# Altium PCB tnb_mns_power.PcbDoc (part 1 of 5) (continued)
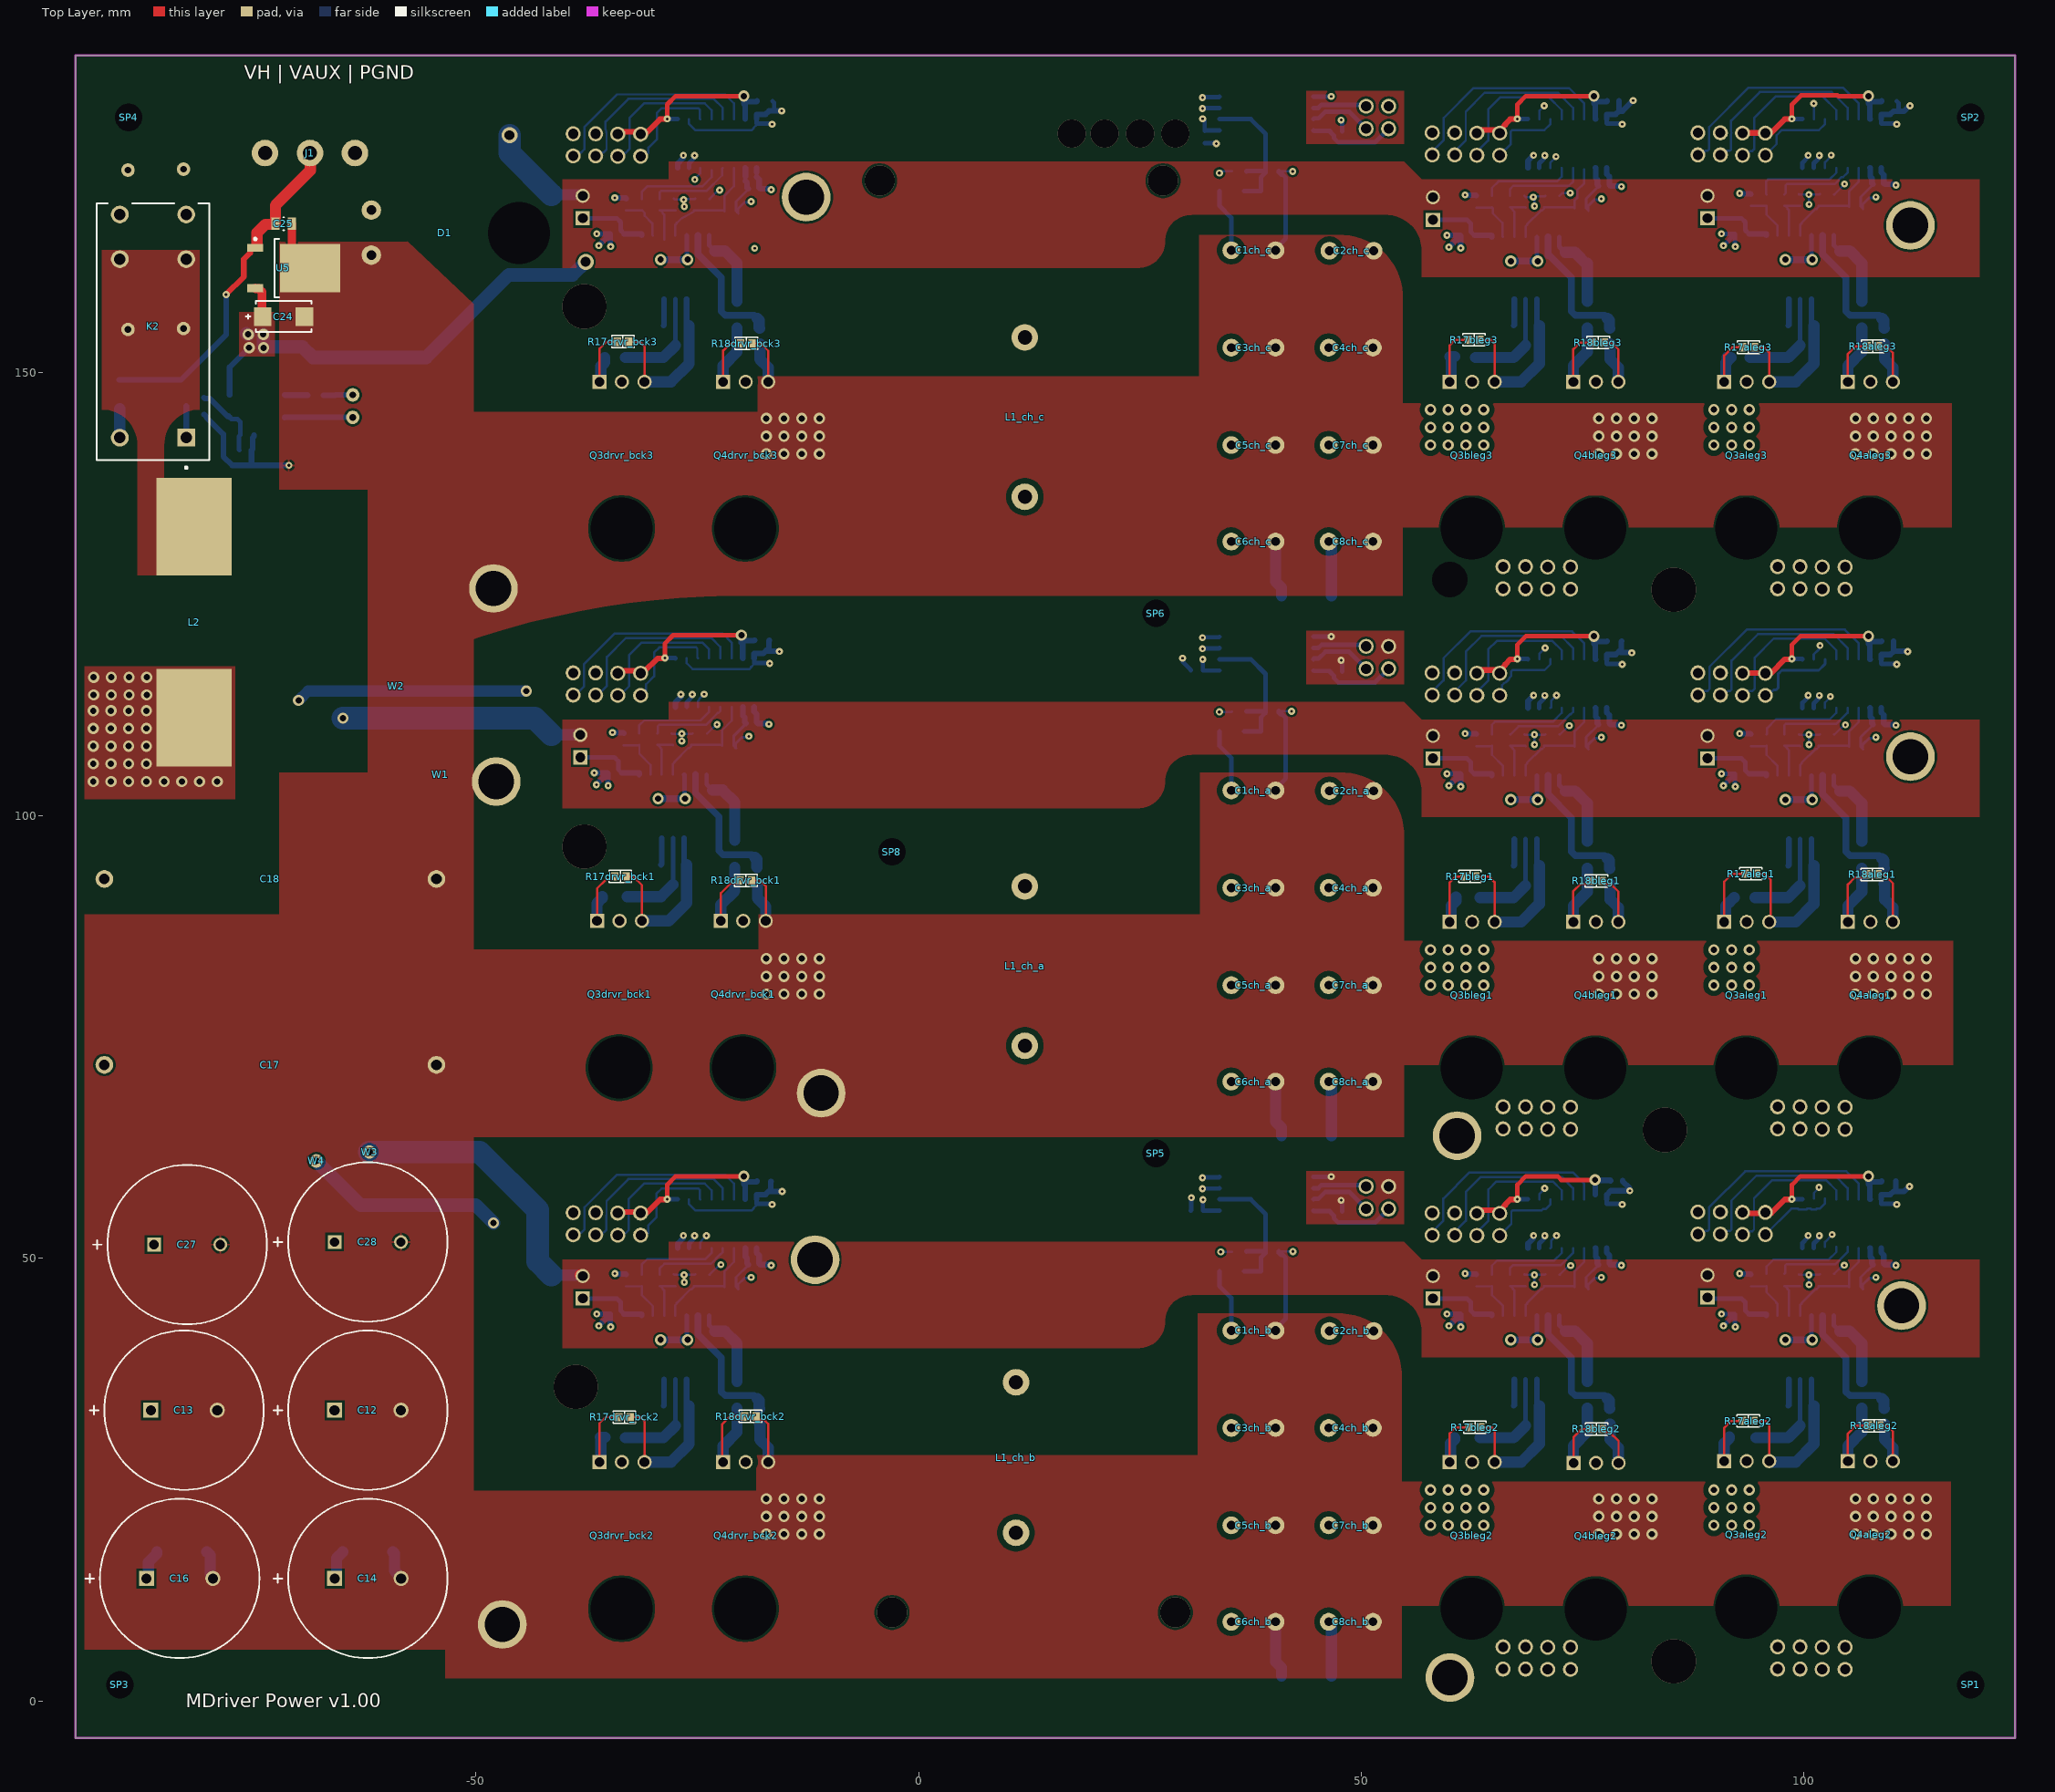
[diagram p0: Top Layer view]
## Design rules (kind name [scope] priority, off if disabled: settings)
Clearance clearance_hv [InNetClass('VH') vs Not InNetClass('VH')] p1: gap=0.6 ignorepadtopadclearanceinfootprint=FALSE
Clearance Clearance_1 [All] p2: gap=0.254 ignorepadtopadclearanceinfootprint=FALSE
Height [All] p1: minheight=0 maxheight=254 prefheight=0.254
HoleSize [All] p1: absolutevalues=TRUE maxlimit=1270 minlimit=0.025 maxpercent=80.000 minpercent=20.000
MinimumSolderMaskSliver [All] p1: minsoldermaskwidth=0.2
PolygonConnect [All] p1: connectstyle=Relief reliefconductorwidth=0.254 reliefentries=4 polygonreliefangle="90 Angle" airgapwidth=0.254
RoutingVias [All] p1: holewidth=0.711 width=1.27 viastyle="Through Hole" minholewidth=0.254 minwidth=0.508 maxholewidth=0.711 maxwidth=1.27
SilkToSolderMaskClearance [IsPad] p1: minsilkscreentomaskgap=0.05 clearancetoexposedcopper=TRUE
SolderMaskExpansion [All] p1: expansion=0.102 istentingtop=FALSE
Width [All] p1: maxlimit=2.54 minlimit=0.254 preferedwidth=0.254
26 further rules are at their usual default settings.

## Classes and differential pairs
channel class channel: ch_a ch_b ch_c
component class drvr_bck3: C9drvr_bck3 C10drvr_bck3 C15drvr_bck3 C21drvr_bck3 C36drvr_bck3 C37drvr_bck3 C38drvr_bck3 cdrvr_bck3 P1drvr_bck3 P4drvr_bck3 Q3drvr_bck3 Q4drvr_bck3 R5drvr_bck3 R6drvr_bck3 R7drvr_bck3 R8drvr_bck3 R10drvr_bck3 R11drvr_bck3 R17drvr_bck3 R18drvr_bck3 U2drvr_bck3 U4drvr_bck3
component class drvr_bck2: C9drvr_bck2 C10drvr_bck2 C15drvr_bck2 C21drvr_bck2 C36drvr_bck2 C37drvr_bck2 C38drvr_bck2 cdrvr_bck2 P1drvr_bck2 P4drvr_bck2 Q3drvr_bck2 Q4drvr_bck2 R5drvr_bck2 R6drvr_bck2 R7drvr_bck2 R8drvr_bck2 R10drvr_bck2 R11drvr_bck2 R17drvr_bck2 R18drvr_bck2 U2drvr_bck2 U4drvr_bck2
component class ch_c: C1ch_c C2ch_c C3ch_c C4ch_c C5ch_c C6ch_c C7ch_c C8ch_c C20ch_c C22ch_c C23ch_c C26ch_c L1_ch_c P2ch_c P3ch_c P5ch_c R12ch_c R13ch_c R16ch_c U1ch_c
component class ch_b: C1ch_b C2ch_b C3ch_b C4ch_b C5ch_b C6ch_b C7ch_b C8ch_b C20ch_b C22ch_b C23ch_b C26ch_b L1_ch_b P2ch_b P3ch_b P5ch_b R12ch_b R13ch_b R16ch_b U1ch_b
component class bleg3: C9bleg3 C10bleg3 C15bleg3 C21bleg3 C36bleg3 C37bleg3 C38bleg3 cbleg3 P1bleg3 P4bleg3 Q3bleg3 Q4bleg3 R5bleg3 R6bleg3 R7bleg3 R8bleg3 R10bleg3 R11bleg3 R17bleg3 R18bleg3 U2bleg3 U4bleg3
component class bleg2: C9bleg2 C10bleg2 C15bleg2 C21bleg2 C36bleg2 C37bleg2 C38bleg2 cbleg2 P1bleg2 P4bleg2 Q3bleg2 Q4bleg2 R5bleg2 R6bleg2 R7bleg2 R8bleg2 R10bleg2 R11bleg2 R17bleg2 R18bleg2 U2bleg2 U4bleg2
component class aleg3: C9aleg3 C10aleg3 C15aleg3 C21aleg3 C36aleg3 C37aleg3 C38aleg3 caleg3 P1aleg3 P4aleg3 Q3aleg3 Q4aleg3 R5aleg3 R6aleg3 R7aleg3 R8aleg3 R10aleg3 R11aleg3 R17aleg3 R18aleg3 U2aleg3 U4aleg3
component class aleg2: C9aleg2 C10aleg2 C15aleg2 C21aleg2 C36aleg2 C37aleg2 C38aleg2 caleg2 P1aleg2 P4aleg2 Q3aleg2 Q4aleg2 R5aleg2 R6aleg2 R7aleg2 R8aleg2 R10aleg2 R11aleg2 R17aleg2 R18aleg2 U2aleg2 U4aleg2
channel class 2EDL23: aleg1 aleg2 aleg3 bleg1 bleg2 bleg3 drvr_bck1 drvr_bck2 drvr_bck3
component class bleg1: C9bleg1 C10bleg1 C15bleg1 C21bleg1 C36bleg1 C37bleg1 C38bleg1 cbleg1 P1bleg1 P4bleg1 Q3bleg1 Q4bleg1 R5bleg1 R6bleg1 R7bleg1 R8bleg1 R10bleg1 R11bleg1 R17bleg1 R18bleg1 U2bleg1 U4bleg1
component class aleg1: C9aleg1 C10aleg1 C15aleg1 C21aleg1 C36aleg1 C37aleg1 C38aleg1 caleg1 P1aleg1 P4aleg1 Q3aleg1 Q4aleg1 R5aleg1 R6aleg1 R7aleg1 R8aleg1 R10aleg1 R11aleg1 R17aleg1 R18aleg1 U2aleg1 U4aleg1
component class top_tnb_mns_power: C12 C13 C14 C16 C17 C18 C24 C25 C27 C28 C29 D1 F1 J1 K2 L2 P7 Q2 R1 R2 R14 R15 R20 R22 R23 scrw1 scrw2 scrw3 scrw4 scrw5 scrw6 scrw7 scrw8 scrw9 scrw10 scrw12 scrw13 SP1 SP2 SP3 SP4 SP5 SP6 SP8 U5 U6 W1 W2 W3 W4
net class VH: buck_in_ch_a buck_in_ch_b buck_in_ch_c NetC9aleg1_1 NetC9aleg1_2 NetC9aleg2_1 NetC9aleg2_2 NetC9aleg3_1 NetC9aleg3_2 NetC9bleg1_1 NetC9bleg1_2 NetC9bleg2_1 NetC9bleg2_2 NetC9bleg3_1 NetC9bleg3_2 NetC9drvr_bck1_2 NetC9drvr_bck2_2 NetC9drvr_bck3_2 NetQ3aleg1_2 NetQ3aleg2_2 NetQ3aleg3_2 NetQ3bleg1_2 NetQ3bleg2_2 NetQ3bleg3_2 NetQ3drvr_bck1_2 NetQ3drvr_bck2_2 NetQ3drvr_bck3_2 NetR5aleg1_1 NetR5aleg2_1 NetR5aleg3_1 NetR5bleg1_1 NetR5bleg2_1 NetR5bleg3_1 NetR5drvr_bck1_1 NetR5drvr_bck2_1 NetR5drvr_bck3_1 vbuck_in_ch_a vbuck_in_ch_b vbuck_in_ch_c vbuck_out_ch_a vbuck_out_ch_b vbuck_out_ch_c
component class ch_a: C1ch_a C2ch_a C3ch_a C4ch_a C5ch_a C6ch_a C7ch_a C8ch_a C20ch_a C22ch_a C23ch_a C26ch_a L1_ch_a P2ch_a P3ch_a P5ch_a R12ch_a R13ch_a R16ch_a U1ch_a
component class drvr_bck1: C9drvr_bck1 C10drvr_bck1 C15drvr_bck1 C21drvr_bck1 C36drvr_bck1 C37drvr_bck1 C38drvr_bck1 cdrvr_bck1 P1drvr_bck1 P4drvr_bck1 Q3drvr_bck1 Q4drvr_bck1 R5drvr_bck1 R6drvr_bck1 R7drvr_bck1 R8drvr_bck1 R10drvr_bck1 R11drvr_bck1 R17drvr_bck1 R18drvr_bck1 U2drvr_bck1 U4drvr_bck1

## Components (designator, comment, footprint, x,y, rotation, side; value= is the part's Value field where it differs from the comment)
C1ch_a "100uF" electrolyte_10mm_5mm 37.81,102.842 r0 top (schematic designator C1)
C1ch_b "100uF" electrolyte_10mm_5mm 37.81,41.842 r0 top (schematic designator C1)
C1ch_c "100uF" electrolyte_10mm_5mm 37.81,163.842 r0 top (schematic designator C1)
C2ch_a "100uF" electrolyte_10mm_5mm 48.89,102.793 r0 top (schematic designator C2)
C2ch_b "100uF" electrolyte_10mm_5mm 48.89,41.793 r0 top (schematic designator C2)
C2ch_c "100uF" electrolyte_10mm_5mm 48.89,163.793 r0 top (schematic designator C2)
C3ch_a "100uF" electrolyte_10mm_5mm 37.81,91.842 r0 top (schematic designator C3)
C3ch_b "100uF" electrolyte_10mm_5mm 37.81,30.842 r0 top (schematic designator C3)
C3ch_c "100uF" electrolyte_10mm_5mm 37.81,152.842 r0 top (schematic designator C3)
C4ch_a "100uF" electrolyte_10mm_5mm 48.81,91.842 r0 top (schematic designator C4)
C4ch_b "100uF" electrolyte_10mm_5mm 48.81,30.842 r0 top (schematic designator C4)
C4ch_c "100uF" electrolyte_10mm_5mm 48.81,152.842 r0 top (schematic designator C4)
C5ch_a "100uF" electrolyte_10mm_5mm 37.81,80.842 r0 top (schematic designator C5)
C5ch_b "100uF" electrolyte_10mm_5mm 37.81,19.842 r0 top (schematic designator C5)
C5ch_c "100uF" electrolyte_10mm_5mm 37.81,141.842 r0 top (schematic designator C5)
C6ch_a "100uF" electrolyte_10mm_5mm 37.81,69.946 r0 top (schematic designator C6)
C6ch_b "100uF" electrolyte_10mm_5mm 37.81,8.946 r0 top (schematic designator C6)
C6ch_c "100uF" electrolyte_10mm_5mm 37.81,130.946 r0 top (schematic designator C6)
C7ch_a "100uF" electrolyte_10mm_5mm 48.81,80.842 r0 top (schematic designator C7)
C7ch_b "100uF" electrolyte_10mm_5mm 48.81,19.842 r0 top (schematic designator C7)
C7ch_c "100uF" electrolyte_10mm_5mm 48.81,141.842 r0 top (schematic designator C7)
C8ch_a "100uF" electrolyte_10mm_5mm 48.81,69.946 r0 top (schematic designator C8)
C8ch_b "100uF" electrolyte_10mm_5mm 48.81,8.946 r0 top (schematic designator C8)
C8ch_c "100uF" electrolyte_10mm_5mm 48.81,130.946 r0 top (schematic designator C8)
C9aleg1 "4.7uF 0805" "CAP 1206_3216 - 0.8MM" 99.642,94.336 r180 bottom (schematic designator C9)
C9aleg2 "4.7uF 0805" "CAP 1206_3216 - 0.8MM" 99.642,33.448 r180 bottom (schematic designator C9)
C9aleg3 "4.7uF 0805" "CAP 1206_3216 - 0.8MM" 99.642,155.336 r180 bottom (schematic designator C9)
C9bleg1 "4.7uF 0805" "CAP 1206_3216 - 0.8MM" 68.642,94.336 r180 bottom (schematic designator C9)
C9bleg2 "4.7uF 0805" "CAP 1206_3216 - 0.8MM" 68.642,33.334 r180 bottom (schematic designator C9)
C9bleg3 "4.7uF 0805" "CAP 1206_3216 - 0.8MM" 68.642,155.336 r180 bottom (schematic designator C9)
C9drvr_bck1 "4.7uF 0805" "CAP 1206_3216 - 0.8MM" -27.631,94.448 r180 bottom (schematic designator C9)
C9drvr_bck2 "4.7uF 0805" "CAP 1206_3216 - 0.8MM" -27.358,33.336 r180 bottom (schematic designator C9)
C9drvr_bck3 "4.7uF 0805" "CAP 1206_3216 - 0.8MM" -27.358,155.336 r180 bottom (schematic designator C9)
C10aleg1 "4.7uF 0805" "CAP 0805_2012"#1 92.958,104.7 r0 bottom (schematic designator C10)
C10aleg2 "4.7uF 0805" "CAP 0805_2012"#1 92.958,43.812 r0 bottom (schematic designator C10)
C10aleg3 "4.7uF 0805" "CAP 0805_2012"#1 92.958,165.7 r0 bottom (schematic designator C10)
C10bleg1 "4.7uF 0805" "CAP 0805_2012"#1 61.958,104.7 r0 bottom (schematic designator C10)
C10bleg2 "4.7uF 0805" "CAP 0805_2012"#1 61.958,43.698 r0 bottom (schematic designator C10)
C10bleg3 "4.7uF 0805" "CAP 0805_2012"#2 61.958,165.522 r0 bottom (schematic designator C10)
C10drvr_bck1 "4.7uF 0805" "CAP 0805_2012"#1 -34.315,104.812 r0 bottom (schematic designator C10)
C10drvr_bck2 "4.7uF 0805" "CAP 0805_2012"#1 -34.042,43.7 r0 bottom (schematic designator C10)
C10drvr_bck3 "4.7uF 0805" "CAP 0805_2012"#1 -34.042,165.7 r0 bottom (schematic designator C10)
C12 "UHE2A331MHD6" CAPPR80-750-2000X1800X2200#1 -62.19,32.842 r0 top
C13 "UHE2A331MHD6" CAPPR80-750-2000X1800X2200#1 -82.94,32.842 r0 top
C14 "UHE2A331MHD6" CAPPR80-750-2000X1800X2200#1 -62.18,13.842 r0 top
C15aleg1 "2.2uF 250V" FP-CGA9P-IPC_B 100.81,81.842 r0 bottom (schematic designator C15)
C15aleg2 "2.2uF 250V" FP-CGA9P-IPC_B 100.81,20.954 r0 bottom (schematic designator C15)
C15aleg3 "2.2uF 250V" FP-CGA9P-IPC_B 100.81,142.842 r0 bottom (schematic designator C15)
C15bleg1 "2.2uF 250V" FP-CGA9P-IPC_B 69.81,81.842 r0 bottom (schematic designator C15)
C15bleg2 "2.2uF 250V" FP-CGA9P-IPC_B 69.81,20.84 r0 bottom (schematic designator C15)
C15bleg3 "2.2uF 250V" FP-CGA9P-IPC_B 69.81,142.842 r0 bottom (schematic designator C15)
C15drvr_bck1 "2.2uF 250V" FP-CGA9P-IPC_B -26.463,81.954 r0 bottom (schematic designator C15)
C15drvr_bck2 "2.2uF 250V" FP-CGA9P-IPC_B -26.19,20.842 r0 bottom (schematic designator C15)
C15drvr_bck3 "2.2uF 250V" FP-CGA9P-IPC_B -26.19,142.842 r0 bottom (schematic designator C15)
C16 "UHE2A331MHD6" CAPPR80-750-2000X1800X2200#1 -83.43,13.842 r0 top
C17 "100V" FILM_CAP_100UF_100V_R60EW61005000K -73.19,71.842 r180 top locked value=6800nF
C18 "100V" FILM_CAP_100UF_100V_R60EW61005000K -73.19,92.842 r180 top value=6800nF
C20ch_a "0805 100V 100nF" "CAP 0805_2012"#1 36.203,111.743 r0 bottom value=100pF (schematic designator C20)
C20ch_b "0805 100V 100nF" "CAP 0805_2012"#1 36.203,50.743 r0 bottom value=100pF (schematic designator C20)
C20ch_c "0805 100V 100nF" "CAP 0805_2012"#1 36.203,172.743 r0 bottom value=100pF (schematic designator C20)
C21aleg1 "0603 100nF" "CAP 0603_1608" 108.452,110.288 r0 bottom (schematic designator C21)
C21aleg2 "0603 100nF" "CAP 0603_1608" 108.452,49.4 r0 bottom (schematic designator C21)
C21aleg3 "0603 100nF" "CAP 0603_1608" 108.452,171.288 r0 bottom (schematic designator C21)
C21bleg1 "0603 100nF" "CAP 0603_1608" 77.452,110.288 r0 bottom (schematic designator C21)
C21bleg2 "0603 100nF" "CAP 0603_1608" 77.452,49.286 r0 bottom (schematic designator C21)
C21bleg3 "0603 100nF" "CAP 0603_1608" 77.452,171.11 r0 bottom (schematic designator C21)
C21drvr_bck1 "0603 100nF" "CAP 0603_1608" -18.821,110.4 r0 bottom (schematic designator C21)
C21drvr_bck2 "0603 100nF" "CAP 0603_1608" -18.548,49.288 r0 bottom (schematic designator C21)
C21drvr_bck3 "0603 100nF" "CAP 0603_1608" -18.548,170.78 r0 bottom (schematic designator C21)
C22ch_a "0603 100nF" "CAP 0603_1608" 31.429,116.384 r180 bottom (schematic designator C22)
C22ch_b "0603 100nF" "CAP 0603_1608" 31.429,55.384 r180 bottom (schematic designator C22)
C22ch_c "0603 100nF" "CAP 0603_1608" 32.31,176.635 r270 bottom (schematic designator C22)
C23ch_a "0603 100nF" "CAP 0603_1608" 47.177,116.257 r180 bottom (schematic designator C23)
C23ch_b "0603 100nF" "CAP 0603_1608" 47.177,55.257 r180 bottom (schematic designator C23)
C23ch_c "0603 100nF" "CAP 0603_1608" 47.177,177.257 r180 bottom (schematic designator C23)
C24 "22uF 10V" FP-T491C226K010AT-MFG -71.692,156.35 r180 top
C25 "100nF 0805 25V" FP-CC0805-0_85-MFG -71.692,166.842 r0 top value="100 nF"
C26ch_a "0805 100V 100nF" "CAP 0805_2012"#1 39.938,111.812 r180 bottom value=100pF (schematic designator C26)
C26ch_b "0805 100V 100nF" "CAP 0805_2012"#1 39.938,50.812 r180 bottom value=100pF (schematic designator C26)
C26ch_c "0805 100V 100nF" "CAP 0805_2012"#1 39.938,172.812 r180 bottom value=100pF (schematic designator C26)
C27 "UHE2A331MHD6" CAPPR80-750-2000X1800X2200#2 -82.583,51.546 r0 top locked
C28 "UHE2A331MHD6" CAPPR80-750-2000X1800X2200#2 -62.19,51.842 r0 top locked
C29 "100nF" "CAP 0603_1608" -76,141.252 r0 bottom
C36aleg1 "Cap" "CAP 0603_1608" 93.974,108.51 r270 bottom value=100pF (schematic designator C36)
C36aleg2 "Cap" "CAP 0603_1608" 93.974,47.622 r270 bottom value=100pF (schematic designator C36)
C36aleg3 "Cap" "CAP 0603_1608" 93.974,169.51 r270 bottom value=100pF (schematic designator C36)
C36bleg1 "Cap" "CAP 0603_1608" 62.974,108.51 r270 bottom value=100pF (schematic designator C36)
C36bleg2 "Cap" "CAP 0603_1608" 62.974,47.508 r270 bottom value=100pF (schematic designator C36)
C36bleg3 "Cap" "CAP 0603_1608" 62.974,169.332 r270 bottom value=100pF (schematic designator C36)
C36drvr_bck1 "Cap" "CAP 0603_1608" -33.299,108.622 r270 bottom value=100pF (schematic designator C36)
C36drvr_bck2 "Cap" "CAP 0603_1608" -33.026,47.51 r270 bottom value=100pF (schematic designator C36)
C36drvr_bck3 "Cap" "CAP 0603_1608" -33.026,169.002 r270 bottom value=100pF (schematic designator C36)
C37aleg1 "Cap" "CAP 0603_1608" 99.384,108.51 r270 bottom value=100pF (schematic designator C37)
C37aleg2 "Cap" "CAP 0603_1608" 99.384,47.622 r270 bottom value=100pF (schematic designator C37)
C37aleg3 "Cap" "CAP 0603_1608" 99.384,169.51 r270 bottom value=100pF (schematic designator C37)
C37bleg1 "Cap" "CAP 0603_1608" 68.384,108.51 r270 bottom value=100pF (schematic designator C37)
C37bleg2 "Cap" "CAP 0603_1608" 68.384,47.508 r270 bottom value=100pF (schematic designator C37)
C37bleg3 "Cap" "CAP 0603_1608" 68.384,169.332 r270 bottom value=100pF (schematic designator C37)
C37drvr_bck1 "Cap" "CAP 0603_1608" -27.889,108.622 r270 bottom value=100pF (schematic designator C37)
C37drvr_bck2 "Cap" "CAP 0603_1608" -27.616,47.51 r270 bottom value=100pF (schematic designator C37)
C37drvr_bck3 "Cap" "CAP 0603_1608" -27.616,169.002 r270 bottom value=100pF (schematic designator C37)
C38aleg1 "Cap" "CAP 0603_1608" 101.772,108.51 r270 bottom value=100pF (schematic designator C38)
C38aleg2 "Cap" "CAP 0603_1608" 101.772,47.622 r270 bottom value=100pF (schematic designator C38)
C38aleg3 "Cap" "CAP 0603_1608" 101.772,169.51 r270 bottom value=100pF (schematic designator C38)
C38bleg1 "Cap" "CAP 0603_1608" 70.772,108.51 r270 bottom value=100pF (schematic designator C38)
C38bleg2 "Cap" "CAP 0603_1608" 70.772,47.508 r270 bottom value=100pF (schematic designator C38)
C38bleg3 "Cap" "CAP 0603_1608" 70.772,169.332 r270 bottom value=100pF (schematic designator C38)
C38drvr_bck1 "Cap" "CAP 0603_1608" -25.501,108.622 r270 bottom value=100pF (schematic designator C38)
C38drvr_bck2 "Cap" "CAP 0603_1608" -25.228,47.51 r270 bottom value=100pF (schematic designator C38)
C38drvr_bck3 "Cap" "CAP 0603_1608" -25.228,169.002 r270 bottom value=100pF (schematic designator C38)
caleg1 "0603 100nF" "CAP 0603_1608" 109.668,119.713 r0 bottom (schematic designator c)
caleg2 "0603 100nF" "CAP 0603_1608" 109.692,58.708 r0 bottom (schematic designator c)
caleg3 "0603 100nF" "CAP 0603_1608" 109.768,180.684 r0 bottom (schematic designator c)
cbleg1 "0603 100nF" "CAP 0603_1608" 78.715,119.686 r0 bottom (schematic designator c)
cbleg2 "0603 100nF" "CAP 0603_1608" 78.823,58.757 r0 bottom (schematic designator c)
cbleg3 "0603 100nF" "CAP 0603_1608" 78.501,180.691 r0 bottom (schematic designator c)
cdrvr_bck1 "0603 100nF" "CAP 0603_1608" -17.534,119.776 r0 bottom (schematic designator c)
cdrvr_bck2 "0603 100nF" "CAP 0603_1608" -17.257,58.651 r0 bottom (schematic designator c)
cdrvr_bck3 "0603 100nF" "CAP 0603_1608" -17.177,180.701 r0 bottom (schematic designator c)
D1 "Diode" TO-220-2-bent -61.69,165.842 r90 top
F1 "0679L9150-01" FP-0679L-MFG -76.69,179.842 r180 bottom value=0.0038Ω
J1 "20A straight" 691311500103 -68.718,174.826 r0 top
K2 "1-1415899-6" FP-1-1415899-6-MFG -86.44,154.642 r90 top
L1_ch_a "380uH 5A" inductor_HCTI-390-5.0#1 12,82.888 r90 top value=390uH (schematic designator L1)
L1_ch_b "380uH 5A" inductor_HCTI-390-5.0#2 11,28 r90 top value=390uH (schematic designator L1)
L1_ch_c "380uH 5A" inductor_HCTI-390-5.0#3 12,145.112 r90 top value=390uH (schematic designator L1)
L2 "Inductor" wurth_inductor_74437529203101_100uH -81.19,121.842 r270 top value=100uH
P1aleg1 "61300211121" 61300211121 89.083,107.73 r90 bottom (schematic designator P1)
P1aleg2 "61300211121" 61300211121 89.083,46.842 r90 bottom (schematic designator P1)
P1aleg3 "61300211121" 61300211121 89.083,168.73 r90 bottom (schematic designator P1)
P1bleg1 "61300211121" 61300211121 58.083,107.73 r90 bottom (schematic designator P1)
P1bleg2 "61300211121" 61300211121 58.083,46.728 r90 bottom (schematic designator P1)
P1bleg3 "61300211121" 61300211121 58.083,168.552 r90 bottom (schematic designator P1)
P1drvr_bck1 "61300211121" 61300211121 -38.19,107.842 r90 bottom (schematic designator P1)
P1drvr_bck2 "61300211121" 61300211121 -37.917,46.73 r90 bottom (schematic designator P1)
P1drvr_bck3 "61300211121" 61300211121 -37.917,168.73 r90 bottom (schematic designator P1)
P2ch_a "Header 8" HEADER_4_2 100.81,65.842 r180 bottom locked (schematic designator P2)
P2ch_b "Header 8" HEADER_4_2 100.81,4.842 r180 bottom locked (schematic designator P2)
P2ch_c "Header 8" HEADER_4_2 100.81,126.842 r180 bottom locked (schematic designator P2)
P3ch_a "Header 8" HEADER_4_2 69.81,65.842 r180 bottom (schematic designator P3)
P3ch_b "Header 8" HEADER_4_2 69.81,4.842 r180 bottom (schematic designator P3)
P3ch_c "Header 8" HEADER_4_2 69.81,126.842 r180 bottom locked (schematic designator P3)
P4aleg1 "Header 4X2" HEADER_4_2 91.81,114.842 r180 bottom locked (schematic designator P4)
P4aleg2 "Header 4X2" HEADER_4_2 91.81,53.954 r180 bottom locked (schematic designator P4)
P4aleg3 "Header 4X2" HEADER_4_2 91.81,175.842 r180 bottom locked (schematic designator P4)
P4bleg1 "Header 4X2" HEADER_4_2 61.81,114.842 r180 bottom locked (schematic designator P4)
P4bleg2 "Header 4X2" HEADER_4_2 61.81,53.84 r180 bottom locked (schematic designator P4)
P4bleg3 "Header 4X2" HEADER_4_2 61.81,175.842 r180 bottom locked (schematic designator P4)
P4drvr_bck1 "Header 4X2" HEADER_4_2 -35.19,114.842 r180 bottom locked (schematic designator P4)
P4drvr_bck2 "Header 4X2" HEADER_4_2 -35.19,53.882 r180 bottom (schematic designator P4)
P4drvr_bck3 "Header 4X2" HEADER_4_2 -35.19,175.73 r180 bottom locked (schematic designator P4)
P5ch_a "Header 4" header_2_2_m 51.81,117.842 r270 bottom locked (schematic designator P5)
P5ch_b "Header 4" header_2_2_m 51.81,56.842 r270 bottom (schematic designator P5)
P5ch_c "Header 4" header_2_2_m 51.81,178.842 r270 bottom (schematic designator P5)
P7 "Header 2H" header_2_1_m -63.89,146.242 r90 bottom
Q2 "DMN6140L-13" FP-SOT23-MFG -81.69,146.242 r180 bottom
Q3aleg1 "npn_w_screw" TO-220_3_bent 93.51,87.986 r0 top (schematic designator Q3)
Q3aleg2 "npn_w_screw" TO-220_3_bent 93.51,27.098 r0 top (schematic designator Q3)
Q3aleg3 "npn_w_screw" TO-220_3_bent 93.51,148.986 r0 top locked (schematic designator Q3)
Q3bleg1 "npn_w_screw" TO-220_3_bent 62.51,87.986 r0 top (schematic designator Q3)
Q3bleg2 "npn_w_screw" TO-220_3_bent 62.51,26.984 r0 top (schematic designator Q3)
Q3bleg3 "npn_w_screw" TO-220_3_bent 62.51,148.986 r0 top locked (schematic designator Q3)
Q3drvr_bck1 "npn_w_screw" TO-220_3_bent -33.763,88.098 r0 top locked (schematic designator Q3)
Q3drvr_bck2 "npn_w_screw" TO-220_3_bent -33.49,26.986 r0 top (schematic designator Q3)
Q3drvr_bck3 "npn_w_screw" TO-220_3_bent -33.49,148.986 r0 top (schematic designator Q3)
Q4aleg1 "MOSFET-N" TO-220_3_bent 107.48,87.986 r0 top (schematic designator Q4)
Q4aleg2 "MOSFET-N" TO-220_3_bent 107.48,27.098 r0 top (schematic designator Q4)
Q4aleg3 "MOSFET-N" TO-220_3_bent 107.48,148.986 r0 top locked (schematic designator Q4)
Q4bleg1 "MOSFET-N" TO-220_3_bent 76.48,87.986 r0 top (schematic designator Q4)
Q4bleg2 "MOSFET-N" TO-220_3_bent 76.502,26.895 r0 top (schematic designator Q4)
Q4bleg3 "MOSFET-N" TO-220_3_bent 76.48,148.986 r0 top locked (schematic designator Q4)
Q4drvr_bck1 "MOSFET-N" TO-220_3_bent -19.793,88.098 r0 top locked (schematic designator Q4)
Q4drvr_bck2 "MOSFET-N" TO-220_3_bent -19.52,26.986 r0 top (schematic designator Q4)
Q4drvr_bck3 "MOSFET-N" TO-220_3_bent -19.52,148.986 r0 top (schematic designator Q4)
R1 "30Ohm Fusable Resistor" safety_resistor_30Ohm_1W -83,164 r270 bottom value=30
R2 "30Ohm Fusable Resistor" safety_resistor_30Ohm_1W -89.267,163.902 r270 bottom value=30
R5aleg1 "0603 3.3Ohm" "RES 1206_3216" 92.958,90.73 r180 bottom value=1K (schematic designator R5)
R5aleg2 "0603 3.3Ohm" "RES 1206_3216" 92.958,29.842 r180 bottom value=1K (schematic designator R5)
R5aleg3 "0603 3.3Ohm" "RES 1206_3216" 92.958,151.73 r180 bottom value=1K (schematic designator R5)
R5bleg1 "0603 3.3Ohm" "RES 1206_3216" 61.958,90.73 r180 bottom value=1K (schematic designator R5)
R5bleg2 "0603 3.3Ohm" "RES 1206_3216" 61.958,29.728 r180 bottom value=1K (schematic designator R5)
R5bleg3 "0603 3.3Ohm" "RES 1206_3216" 61.958,151.73 r180 bottom value=1K (schematic designator R5)
R5drvr_bck1 "0603 3.3Ohm" "RES 1206_3216" -34.315,90.842 r180 bottom value=1K (schematic designator R5)
R5drvr_bck2 "0603 3.3Ohm" "RES 1206_3216" -34.042,29.73 r180 bottom value=1K (schematic designator R5)
R5drvr_bck3 "0603 3.3Ohm" "RES 1206_3216" -34.042,151.73 r180 bottom value=1K (schematic designator R5)
R6aleg1 "1k 0603" "RES 0603_1608" 95.752,108.51 r270 bottom value=1K (schematic designator R6)
R6aleg2 "1k 0603" "RES 0603_1608" 95.752,47.622 r270 bottom value=1K (schematic designator R6)
R6aleg3 "1k 0603" "RES 0603_1608" 95.752,169.51 r270 bottom value=1K (schematic designator R6)
R6bleg1 "1k 0603" "RES 0603_1608" 64.752,108.51 r270 bottom value=1K (schematic designator R6)
R6bleg2 "1k 0603" "RES 0603_1608" 64.752,47.508 r270 bottom value=1K (schematic designator R6)
R6bleg3 "1k 0603" "RES 0603_1608" 64.752,169.332 r270 bottom value=1K (schematic designator R6)
R6drvr_bck1 "1k 0603" "RES 0603_1608" -31.521,108.622 r270 bottom value=1K (schematic designator R6)
R6drvr_bck2 "1k 0603" "RES 0603_1608" -31.248,47.51 r270 bottom value=1K (schematic designator R6)
R6drvr_bck3 "1k 0603" "RES 0603_1608" -31.248,169.002 r270 bottom value=1K (schematic designator R6)
R7aleg1 "Res1" "RES 0603_1608" 97.784,108.51 r270 bottom value=1K (schematic designator R7)
R7aleg2 "Res1" "RES 0603_1608" 97.784,47.622 r270 bottom value=1K (schematic designator R7)
R7aleg3 "Res1" "RES 0603_1608" 97.784,169.51 r270 bottom value=1K (schematic designator R7)
R7bleg1 "Res1" "RES 0603_1608" 66.784,108.51 r270 bottom value=1K (schematic designator R7)
R7bleg2 "Res1" "RES 0603_1608" 66.784,47.508 r270 bottom value=1K (schematic designator R7)
R7bleg3 "Res1" "RES 0603_1608" 66.784,169.332 r270 bottom value=1K (schematic designator R7)
R7drvr_bck1 "Res1" "RES 0603_1608" -29.489,108.622 r270 bottom value=1K (schematic designator R7)
R7drvr_bck2 "Res1" "RES 0603_1608" -29.216,47.51 r270 bottom value=1K (schematic designator R7)
R7drvr_bck3 "Res1" "RES 0603_1608" -29.216,169.002 r270 bottom value=1K (schematic designator R7)
R8aleg1 "0603 3.3Ohm" "RES 1206_3216" 106.505,95.444 r270 bottom value=1K (schematic designator R8)
R8aleg2 "0603 3.3Ohm" "RES 1206_3216" 106.505,34.556 r270 bottom value=1K (schematic designator R8)
R8aleg3 "0603 3.3Ohm" "RES 1206_3216" 106.505,156.444 r270 bottom value=1K (schematic designator R8)
R8bleg1 "0603 3.3Ohm" "RES 1206_3216" 75.505,95.444 r270 bottom value=1K (schematic designator R8)
R8bleg2 "0603 3.3Ohm" "RES 1206_3216" 75.505,34.442 r270 bottom value=1K (schematic designator R8)
R8bleg3 "0603 3.3Ohm" "RES 1206_3216" 75.505,156.444 r270 bottom value=1K (schematic designator R8)
R8drvr_bck1 "0603 3.3Ohm" "RES 1206_3216" -20.768,95.556 r270 bottom value=1K (schematic designator R8)
R8drvr_bck2 "0603 3.3Ohm" "RES 1206_3216" -20.495,34.444 r270 bottom value=1K (schematic designator R8)
R8drvr_bck3 "0603 3.3Ohm" "RES 1206_3216" -20.495,156.444 r270 bottom value=1K (schematic designator R8)
R10aleg1 "3.3k 0603" "RES 0603_1608" 103.372,108.51 r90 bottom value=1K (schematic designator R10)
R10aleg2 "3.3k 0603" "RES 0603_1608" 103.372,47.622 r90 bottom value=1K (schematic designator R10)
R10aleg3 "3.3k 0603" "RES 0603_1608" 103.372,169.51 r90 bottom value=1K (schematic designator R10)
R10bleg1 "3.3k 0603" "RES 0603_1608" 72.372,108.51 r90 bottom value=1K (schematic designator R10)
R10bleg2 "3.3k 0603" "RES 0603_1608" 72.372,47.508 r90 bottom value=1K (schematic designator R10)
R10bleg3 "3.3k 0603" "RES 0603_1608" 72.372,169.332 r90 bottom value=1K (schematic designator R10)
R10drvr_bck1 "3.3k 0603" "RES 0603_1608" -23.901,108.622 r90 bottom value=1K (schematic designator R10)
R10drvr_bck2 "3.3k 0603" "RES 0603_1608" -23.628,47.51 r90 bottom value=1K (schematic designator R10)
R10drvr_bck3 "3.3k 0603" "RES 0603_1608" -23.628,169.002 r90 bottom value=1K (schematic designator R10)
R11aleg1 "Res1" "RES 0805_2012" 109.125,93.207 r270 bottom value=1K (schematic designator R11)
R11aleg2 "Res1" "RES 0805_2012" 109.125,32.319 r270 bottom value=1K (schematic designator R11)
R11aleg3 "Res1" "RES 0805_2012" 109.125,154.207 r270 bottom value=1K (schematic designator R11)
R11bleg1 "Res1" "RES 0805_2012" 78.065,92.956 r270 bottom value=1K (schematic designator R11)
R11bleg2 "Res1" "RES 0805_2012" 78.065,31.954 r270 bottom value=1K (schematic designator R11)
R11bleg3 "Res1" "RES 0805_2012" 78.065,153.956 r270 bottom value=1K (schematic designator R11)
R11drvr_bck1 "Res1" "RES 0805_2012" -18.201,93.18 r270 bottom value=1K (schematic designator R11)
R11drvr_bck2 "Res1" "RES 0805_2012" -17.918,32.144 r270 bottom value=1K (schematic designator R11)
R11drvr_bck3 "Res1" "RES 0805_2012" -18,154 r270 bottom value=1K (schematic designator R11)
R12ch_a "Res1" "RES 1206_3216" 35.366,109.526 r180 bottom value=1K (schematic designator R12)
R12ch_b "Res1" "RES 1206_3216" 35.366,48.526 r180 bottom value=1K (schematic designator R12)
R12ch_c "Res1" "RES 1206_3216" 35.366,170.526 r180 bottom value=1K (schematic designator R12)
R13ch_a "Res1" "RES 1206_3216" 40.065,109.526 r180 bottom value=1K (schematic designator R13)
R13ch_b "Res1" "RES 1206_3216" 40.065,48.526 r180 bottom value=1K (schematic designator R13)
R13ch_c "Res1" "RES 1206_3216" 40.065,170.526 r180 bottom value=1K (schematic designator R13)
R14 "20k 1W" FP-CRCW2512-e3-IPC_C#1 -83.18,16.842 r180 bottom
R15 "20k 1W" FP-CRCW2512-e3-IPC_C#1 -62.18,16.842 r180 bottom
R16ch_a "20k 1W" FP-CRCW2512-e3-IPC_C#2 43.81,63.842 r0 bottom (schematic designator R16)
R16ch_b "20k 1W" FP-CRCW2512-e3-IPC_C#3 43.571,2.842 r0 bottom (schematic designator R16)
R16ch_c "20k 1W" FP-CRCW2512-e3-IPC_C#3 43.571,124.842 r0 bottom (schematic designator R16)
R17aleg1 "0603 50k" "RES 0603_1608" 93.989,93.429 r0 top value=1K (schematic designator R17)
R17aleg2 "0603 50k" "RES 0603_1608" 93.684,31.631 r0 top value=1K (schematic designator R17)
R17aleg3 "0603 50k" "RES 0603_1608" 93.71,152.89 r0 top value=1K (schematic designator R17)
R17bleg1 "0603 50k" "RES 0603_1608" 62.265,93.124 r0 top value=1K (schematic designator R17)
R17bleg2 "0603 50k" "RES 0603_1608" 62.823,30.919 r0 top value=1K (schematic designator R17)
R17bleg3 "0603 50k" "RES 0603_1608" 62.722,153.728 r0 top value=1K (schematic designator R17)
R17drvr_bck1 "0603 50k" "RES 0603_1608" -33.671,93.124 r0 top value=1K (schematic designator R17)
R17drvr_bck2 "0603 50k" "RES 0603_1608" -33.214,32.062 r0 top value=1K (schematic designator R17)
R17drvr_bck3 "0603 50k" "RES 0603_1608" -33.379,153.516 r0 top value=1K (schematic designator R17)
R18aleg1 "0603 50k" "RES 0603_1608" 107.68,93.353 r0 top value=1K (schematic designator R18)
R18aleg2 "0603 50k" "RES 0603_1608" 107.883,31.097 r0 top value=1K (schematic designator R18)
R18aleg3 "0603 50k" "RES 0603_1608" 107.756,152.992 r0 top value=1K (schematic designator R18)
R18bleg1 "0603 50k" "RES 0603_1608" 76.539,92.616 r0 top value=1K (schematic designator R18)
R18bleg2 "0603 50k" "RES 0603_1608" 76.565,30.716 r0 top value=1K (schematic designator R18)
R18bleg3 "0603 50k" "RES 0603_1608" 76.758,153.424 r0 top value=1K (schematic designator R18)
R18drvr_bck1 "0603 50k" "RES 0603_1608" -19.498,92.667 r0 top value=1K (schematic designator R18)
R18drvr_bck2 "0603 50k" "RES 0603_1608" -18.99,32.139 r0 top value=1K (schematic designator R18)
R18drvr_bck3 "0603 50k" "RES 0603_1608" -19.453,153.329 r0 top value=1K (schematic designator R18)
R20 "0.25W 0Ohm 1206" FP-CRCW1206-e3-MFG -90.29,147.942 r270 bottom
R22 "0805 500Ohm" "RES 0805_2012" -68.09,147.442 r180 bottom value=1K
R23 "2k" "RES 0805_2012" -75.9,142.952 r180 bottom value=1K
scrw1 "screw_m2_5" screw_m2_5#1 60,126.652 r0 bottom
scrw2 "screw_m2_5" screw_m2_5#2 -11.69,49.842 r90 bottom
scrw3 "screw_m2_5" screw_m2_5#2 112,106.652 r0 bottom
scrw4 "screw_m2_5" screw_m2_5#2 -12.69,169.842 r90 bottom
scrw5 "screw_m2_5" screw_m2_5#2 111,44.652 r90 bottom
scrw6 "screw_m2_5" screw_m2_5#2 -47,8.652 r0 bottom
scrw7 "screw_m2_5" screw_m2_5#2 60.81,63.842 r90 bottom
scrw8 "screw_m2_5" screw_m2_5#2 112,166.652 r90 bottom
scrw9 "screw_m2_5" screw_m2_5#2 -11,68.652 r0 bottom
scrw10 "screw_m2_5" screw_m2_5#2 -48,125.652 r0 bottom
scrw12 "screw_m2_5" screw_m2_5#2 -47.69,103.842 r0 bottom
scrw13 "screw_m2_5" screw_m2_5#2 60,2.652 r90 bottom
SP1 "hex_spacer" "HEX_SPACER _8MM_60MM" 118.81,1.842 r0 top
SP2 "hex_spacer" "HEX_SPACER _8MM_60MM" 118.81,178.842 r0 top locked
SP3 "hex_spacer" "HEX_SPACER _8MM_60MM" -90.19,1.842 r0 top
SP4 "hex_spacer" "HEX_SPACER _8MM_60MM" -89.19,178.842 r180 top locked
SP5 "hex_spacer" "HEX_SPACER _8MM_60MM" 26.81,61.842 r90 top locked
SP6 "hex_spacer" "HEX_SPACER _8MM_60MM" 26.81,122.842 r90 top locked
SP8 "hex_spacer" "HEX_SPACER _8MM_60MM" -3,95.9 r270 top
U1ch_a "TLP7820" TLP7820 33.969,116.384 r0 bottom (schematic designator U1)
U1ch_b "TLP7820" TLP7820 33.969,55.384 r0 bottom (schematic designator U1)
U1ch_c "TLP7820" TLP7820 33.969,177.384 r0 bottom (schematic designator U1)
U2aleg1 "-" 2EDL23I06PJ 95.73,104.524 r270 bottom (schematic designator U2)
U2aleg2 "-" 2EDL23I06PJ 95.73,43.636 r270 bottom (schematic designator U2)
U2aleg3 "-" 2EDL23I06PJ 95.73,165.524 r270 bottom (schematic designator U2)
U2bleg1 "-" 2EDL23I06PJ 64.73,104.524 r270 bottom (schematic designator U2)
U2bleg2 "-" 2EDL23I06PJ 64.73,43.522 r270 bottom (schematic designator U2)
U2bleg3 "-" 2EDL23I06PJ 64.73,165.524 r270 bottom (schematic designator U2)
U2drvr_bck1 "-" 2EDL23I06PJ -31.543,104.636 r270 bottom (schematic designator U2)
U2drvr_bck2 "-" 2EDL23I06PJ -31.27,43.524 r270 bottom (schematic designator U2)
U2drvr_bck3 "-" 2EDL23I06PJ -31.27,165.524 r270 bottom (schematic designator U2)
U4aleg1 "MAX14931" SOP16_narrow 99.816,117.654 r270 bottom (schematic designator U4)
U4aleg2 "MAX14931" SOP16_narrow 99.816,56.766 r270 bottom (schematic designator U4)
U4aleg3 "MAX14931" SOP16_narrow 99.816,178.654 r270 bottom (schematic designator U4)
U4bleg1 "MAX14931" SOP16_narrow 68.816,117.654 r270 bottom (schematic designator U4)
U4bleg2 "MAX14931" SOP16_narrow 68.816,56.652 r270 bottom (schematic designator U4)
U4bleg3 "MAX14931" SOP16_narrow 68.816,178.654 r270 bottom (schematic designator U4)
U4drvr_bck1 "MAX14931" SOP16_narrow -27.457,117.766 r270 bottom (schematic designator U4)
U4drvr_bck2 "MAX14931" SOP16_narrow -27.184,56.654 r270 bottom (schematic designator U4)
U4drvr_bck3 "MAX14931" SOP16_narrow -27.184,178.654 r270 bottom (schematic designator U4)
U5 "L4941BDT-TR" TO-252_L -70.692,161.842 r0 top
U6 "SFH690BT" VISH-SOP-4_A_V -74.69,146.242 r180 bottom
W1 "wire_jumper" wire_jumper#1 -54,104.652 r90 top
W2 "wire_jumper" wire_jumper#1 -59,114.652 r180 top
W3 "wire_jumper" wire_jumper#2 -102.3,54.952 r90 top
W4 "wire_jumper" wire_jumper#3 -98.7,58.652 r90 top

## Footprints (in the part's own frame and the unit in brackets; to place one, negate y for a bottom-side part, rotate by r counter-clockwise, add the part's x,y. Pads: shape width x height; smd on the part's side, far side on the other; paste and mask are expansions set on the pad)
2EDL23I06PJ [mm]
  rect 2.81x0.65 smd: 1(0,0)
  oval 2.81x0.65 smd: 2(0,-1.27) 3(0,-2.54) 4(0,-3.81) 5(0,-5.08) 6(0,-6.35) 7(0,-7.62) 8(7.19,-7.62) 9(7.19,-6.35) 10(7.19,-5.08) 11(7.19,-3.81) 12(7.19,-2.54) 13(7.19,-1.27) 14(7.19,0)
  silkscreen extent 2.24,-8.26 4.95,0.63, body extent -0.52,-8.41 7.74,0.73, height 2.03
61300211121 [mm] "Pin Header, pitch 2.54 mm, THT, Vertical, single row, 2p"
  rect 1.6x1.6 hole 1.1: 1(-1.27,0)
  round 1.6 hole 1.1: 2(1.27,0)
  silkscreen extent -2.69,-1.35 2.69,1.35, body extent -2.54,-1.27 2.54,1.27, height 8.57
691311500103 [mm]
  round 3 hole 1.6: 1(5.08,0) 2(0,0) 3(-5.08,0)
  body extent -8.65,-3.85 8.59,4.65, height 11.5
"CAP 0603_1608" [mm] "Chip Capacitor, 2-Leads, Body 1.60x0.80mm, IPC Medium Density"
  rect 0.9x1 smd: 1(-0.675,0) 2(0.675,0)
  silkscreen extent -1.4,-0.7 1.4,0.7, body extent -0.8,-0.41 0.8,0.41, height 0.82
"CAP 0805_2012"#1 [mm] "Chip Capacitor, 2-Leads, Body 2.00x1.20mm, IPC Medium Density"
  rect 1.143x1.4 smd: 1(-0.8,0) 2(0.8,0)
  silkscreen extent -1.7,-0.9 1.7,0.9, body extent -1,-0.64 1,0.64, height 1.26
"CAP 0805_2012"#2 [mm] "Chip Capacitor, 2-Leads, Body 2.00x1.20mm, IPC Medium Density"
  rect 1.3x1.27 smd: 1(-0.8,0) 2(0.8,0)
  silkscreen extent -1.7,-0.9 1.7,0.9, body extent -1,-0.64 1,0.64, height 1.26
"CAP 1206_3216 - 0.8MM" [mm] "Chip Capacitor, 2-Leads, Body 3.25x1.60mm, IPC Medium Density"
  rect 1.3x1.8 smd: 1(-1.45,0) 2(1.45,0)
  silkscreen extent -2.37,-1.12 2.37,1.12, body extent -1.6,-0.8 1.6,0.8, height 0.8
CAPPR80-750-2000X1800X2200#1 [mm] "THD, 2-Leads, Dia 18mm, Body Length 22mm"
  rect 1.7x1.7 hole 1.15: 1(-3.75,0)
  round 1.7 hole 1.15: 2(3.75,0)
  silkscreen extent -10.66,-9 9,9, body extent -9,-9 9,9, height 22
CAPPR80-750-2000X1800X2200#2 [mm] "THD, 2-Leads, Dia 18mm, Body Length 22mm"
  rect 1.55x1.55 hole 1.05: 1(-3.75,0)
  round 1.55 hole 1.05: 2(3.75,0)
  silkscreen extent -10.66,-9 9,9, body extent -9,-9 9,9, height 22
electrolyte_10mm_5mm [mm]
  round 2 hole 1: 1(-2.5,0) 2(2.5,0)
  body extent -5,-5 5,5, height 20
FILM_CAP_100UF_100V_R60EW61005000K [mm]
  round 2 hole 1.2: 1(-18.75,0) 2(18.75,0)
  body extent -20.9,-10.1 20.9,10.2, height 40.1
FP-1-1415899-6-MFG [mm]
  round 2 hole 1.3 paste-2539.97 mask+0: 11(8.2,-3.75) 11(8.2,3.75) 14(13.24,-3.75) 14(13.24,3.75) A2(-11.96,3.75)
  rect 2x2 hole 1.3 paste-2539.97 mask+0: A1(-11.96,-3.75)
  silkscreen extent -15.47,-6.35 14.5,6.35, body extent -14.6,-6.45 14.6,6.45, height 0.25
FP-0679L-MFG [mm]
  rect 1.96x3.15 smd paste+0 mask+0: 1(-2.455,0) 2(2.455,0)
  silkscreen extent -1.1,-1.4 1.1,1.4, body extent -3.05,-1.29 3.05,1.25, height 2.54
FP-CC0805-0_85-MFG [mm]
  rect 0.95x1.4 smd paste+0 mask+0: 1(-0.925,0) 2(0.925,0)
  silkscreen extent -0.08,-0.73 0.07,0.73, body extent -1,-0.63 1,0.63, height 0.95
FP-CGA9P-IPC_B [mm]
  rect 2.032x5.403 smd paste+0 mask+0: 1(-2.925,0) 2(2.925,0)
  silkscreen extent -2.15,-2.7 2.15,2.7, body extent -2.85,-2.5 2.85,2.5, height 2.8
FP-CRCW1206-e3-MFG [mm]
  rect 1.05x1.8 smd paste+0 mask+0: 1(-1.275,0) 2(1.275,0)
  silkscreen extent -0.38,-0.87 0.38,0.87, body extent -1.6,-0.8 1.6,0.8, height 0.6
FP-CRCW2512-e3-IPC_C#1 [mil]
  rect 110x126.31 smd paste+0 mask+0: 1(-111.25,0) 2(111.25,0)
  body extent -124,-62 124,62, height 28
FP-CRCW2512-e3-IPC_C#2 [mil]
  rect 80x126.31 smd paste+0 mask+0: 1(-111.25,0) 2(111.25,0)
  body extent -124,-62 124,62, height 28
FP-CRCW2512-e3-IPC_C#3 [mil]
  rect 78.74x126.31 smd paste+0 mask+0: 1(-111.25,0) 2(111.25,0)
  body extent -124,-62 124,62, height 28
FP-SOT23-MFG [mm]
  rect 0.9x0.8 smd paste+0 mask+0: 1(-1,0.95) 2(-1,-0.95) 3(1,0)
  silkscreen extent -0.18,-1.5 0.7,1.5, body extent -1.2,-1.45 1.2,1.45, height 1.1
FP-T491C226K010AT-MFG [mm]
  rect 1.99x2.13 smd paste+0 mask+0: 1(-2.36,0) 2(2.36,0)
  silkscreen extent -3.15,-1.75 4.25,1.75, body extent -3.15,-1.75 3.15,1.75, height 2.8
header_2_1_m [mil]
  round 60 hole 30: 1(-50,0) 2(50,0)
  body extent -98,-50 98,50, height 415
header_2_2_m [mm]
  round 1.7 hole 1.15: 1(-1.27,-1.27) 2(-1.27,1.27) 3(1.27,-1.27) 4(1.27,1.27)
  body extent -2.52,-2.54 2.52,2.46, height 10.54
HEADER_4_2 [mm]
  round 1.7 hole 1.15: 1(-3.81,-1.27) 2(-3.81,1.23) 3(-1.23,-1.27) 4(-1.23,1.23) 5(1.27,-1.23) 6(1.27,1.27) 7(3.81,-1.23) 8(3.81,1.27)
  body extent -5.02,-2.46 5.02,2.54, height 10.54
"HEX_SPACER _8MM_60MM" [mil]
  round 60 hole 122.05: 134(0,0)
  body extent -157,-182 157,182, height 2362
inductor_HCTI-390-5.0#1 [mm]
  round 3 hole 1.6: 1(-8.888,0) 2(9.112,0)
  body extent -7.72,-16.97 7.77,15.24, height 36.52
inductor_HCTI-390-5.0#2 [mm]
  round 3 hole 1.6: 1(-9,0) 2(8,0)
  body extent -7.72,-16.97 7.77,15.24, height 36.52
inductor_HCTI-390-5.0#3 [mm]
  round 3 hole 1.6: 1(-9.112,0) 2(8.888,0)
  body extent -7.72,-16.97 7.77,15.24, height 36.52
"RES 0603_1608" [mm] "Chip Resistor, 2-Leads, Body 1.60x0.80mm, IPC Medium Density"
  rect 0.85x0.95 smd: 1(-0.65,0) 2(0.65,0)
  silkscreen extent -1.27,-0.7 1.27,0.7, body extent -0.8,-0.4 0.8,0.4, height 0.45
"RES 0805_2012" [mm] "Chip Resistor, 2-Leads, Body 2.00x1.25mm, IPC Medium Density"
  rect 1.15x1.35 smd: 1(-0.875,0) 2(0.875,0)
  silkscreen extent -1.7,-0.9 1.7,0.9, body extent -1,-0.62 1,0.63, height 0.6
"RES 1206_3216" [mm] "Chip Resistor, 2-Leads, Body 3.13x1.55mm, IPC Medium Density"
  rect 1.2x1.65 smd: 1(-1.4,0) 2(1.4,0)
  silkscreen extent -2.3,-1.1 2.3,1.1, body extent -1.6,-0.8 1.6,0.8, height 0.6
safety_resistor_30Ohm_1W [mil]
  round 60 hole 30: 1(-354.33,0) 2(354.33,0)
  body extent -367,-83 359,94, height 177
screw_m2_5#1 [mm]
  round 3.5 hole 4: 1(0,0)
  body extent -2.25,-2.25 2.25,2.25, height 2.5
screw_m2_5#2 [mm]
  round 5.5 hole 4: 1(0,0)
  body extent -2.25,-2.25 2.25,2.25, height 2.5
SOP16_narrow [mm]
  rect 1.7x0.6 smd: 1(0,0)
  oval 1.7x0.6 smd: 2(0,-1.27) 3(0,-2.54) 4(0,-3.81) 5(0,-5.08) 6(0,-6.35) 7(0,-7.62) 8(0,-8.89) 9(5.5,-8.89) 10(5.5,-7.62) 11(5.5,-6.35) 12(5.5,-5.08) 13(5.5,-3.81) 14(5.5,-2.54) 15(5.5,-1.27) 16(5.5,0)
  silkscreen extent 1.68,-9.53 3.82,0.63, body extent -0.24,-9.45 5.74,0.45, height 1.35
TLP7820 [mm]
  rect 1.8x0.8 smd: 1(0,0)
  oval 1.8x0.8 smd: 2(0,-1.27) 3(0,-2.54) 4(0,-3.81) 5(10.6,-3.81) 6(10.6,-2.54) 7(10.6,-1.27) 8(10.6,0)
  silkscreen extent 1.73,-4.44 8.87,0.64, body extent 0.18,-4.52 10.48,0.7, height 2.65
TO-220-2-bent [mm]
  round 2.2 hole 1.1: 1(-2.54,0.1) 2(2.54,0.1)
  round 1.524 hole 7: 4(-0.044,-16.56)
  body extent -5.94,-19.59 5.94,0.25, height 9
TO-220_3_bent [mm]
  round 1.6 hole 1.1: 1(0,0) 3(2.54,0)
  rect 1.6x1.6 hole 1.1: 2(-2.54,0)
  round 1.524 hole 7: 4(-0.044,-16.56)
  body extent -5.94,-19.59 5.94,0.25, height 9
TO-252_L [mm] "D-PAK, 4-Leads, Body 6.1x6.5mm, Pitch 2.28mm, Lead Span 9.7mm, IPC High Density"
  rect 1.8x0.9 smd: 1(-4.2,2.28) 3(-4.2,-2.28)
  rect 6.8x5.45 smd: 4(2,0)
  silkscreen extent -4.32,-3.3 -1.5,3.4, body extent -2.05,-3.3 4.15,3.3, height 2.4
VISH-SOP-4_A_V [mm] "SOP, 4-Leads, Body 4.8x4.7mm, Pitch 2.54mm"
  rect 1.14x0.91 smd: 1(-3.11,1.27) 2(-3.11,-1.27) 3(3.11,-1.27) 4(3.11,1.27)
  silkscreen extent -3.23,-2.35 2.15,2.4, body extent -3.48,-2.35 3.48,2.35, height 2.13
wire_jumper#1 [mm]
wire_jumper#2 [mm]
  round 1.524 hole 0.762: 2(7.048,-40.3)
wire_jumper#3 [mm]
  round 1.524 hole 0.762: 1(2.348,-30.7)
wurth_inductor_74437529203101_100uH [mm]
  rect 11x8.5 smd: 1(-10.795,-0.635) 2(10.795,-0.635)
  body extent -11.55,-13.65 11.55,13.65, height 20